# KiCad board ADHW.kicad_pcb (continued)
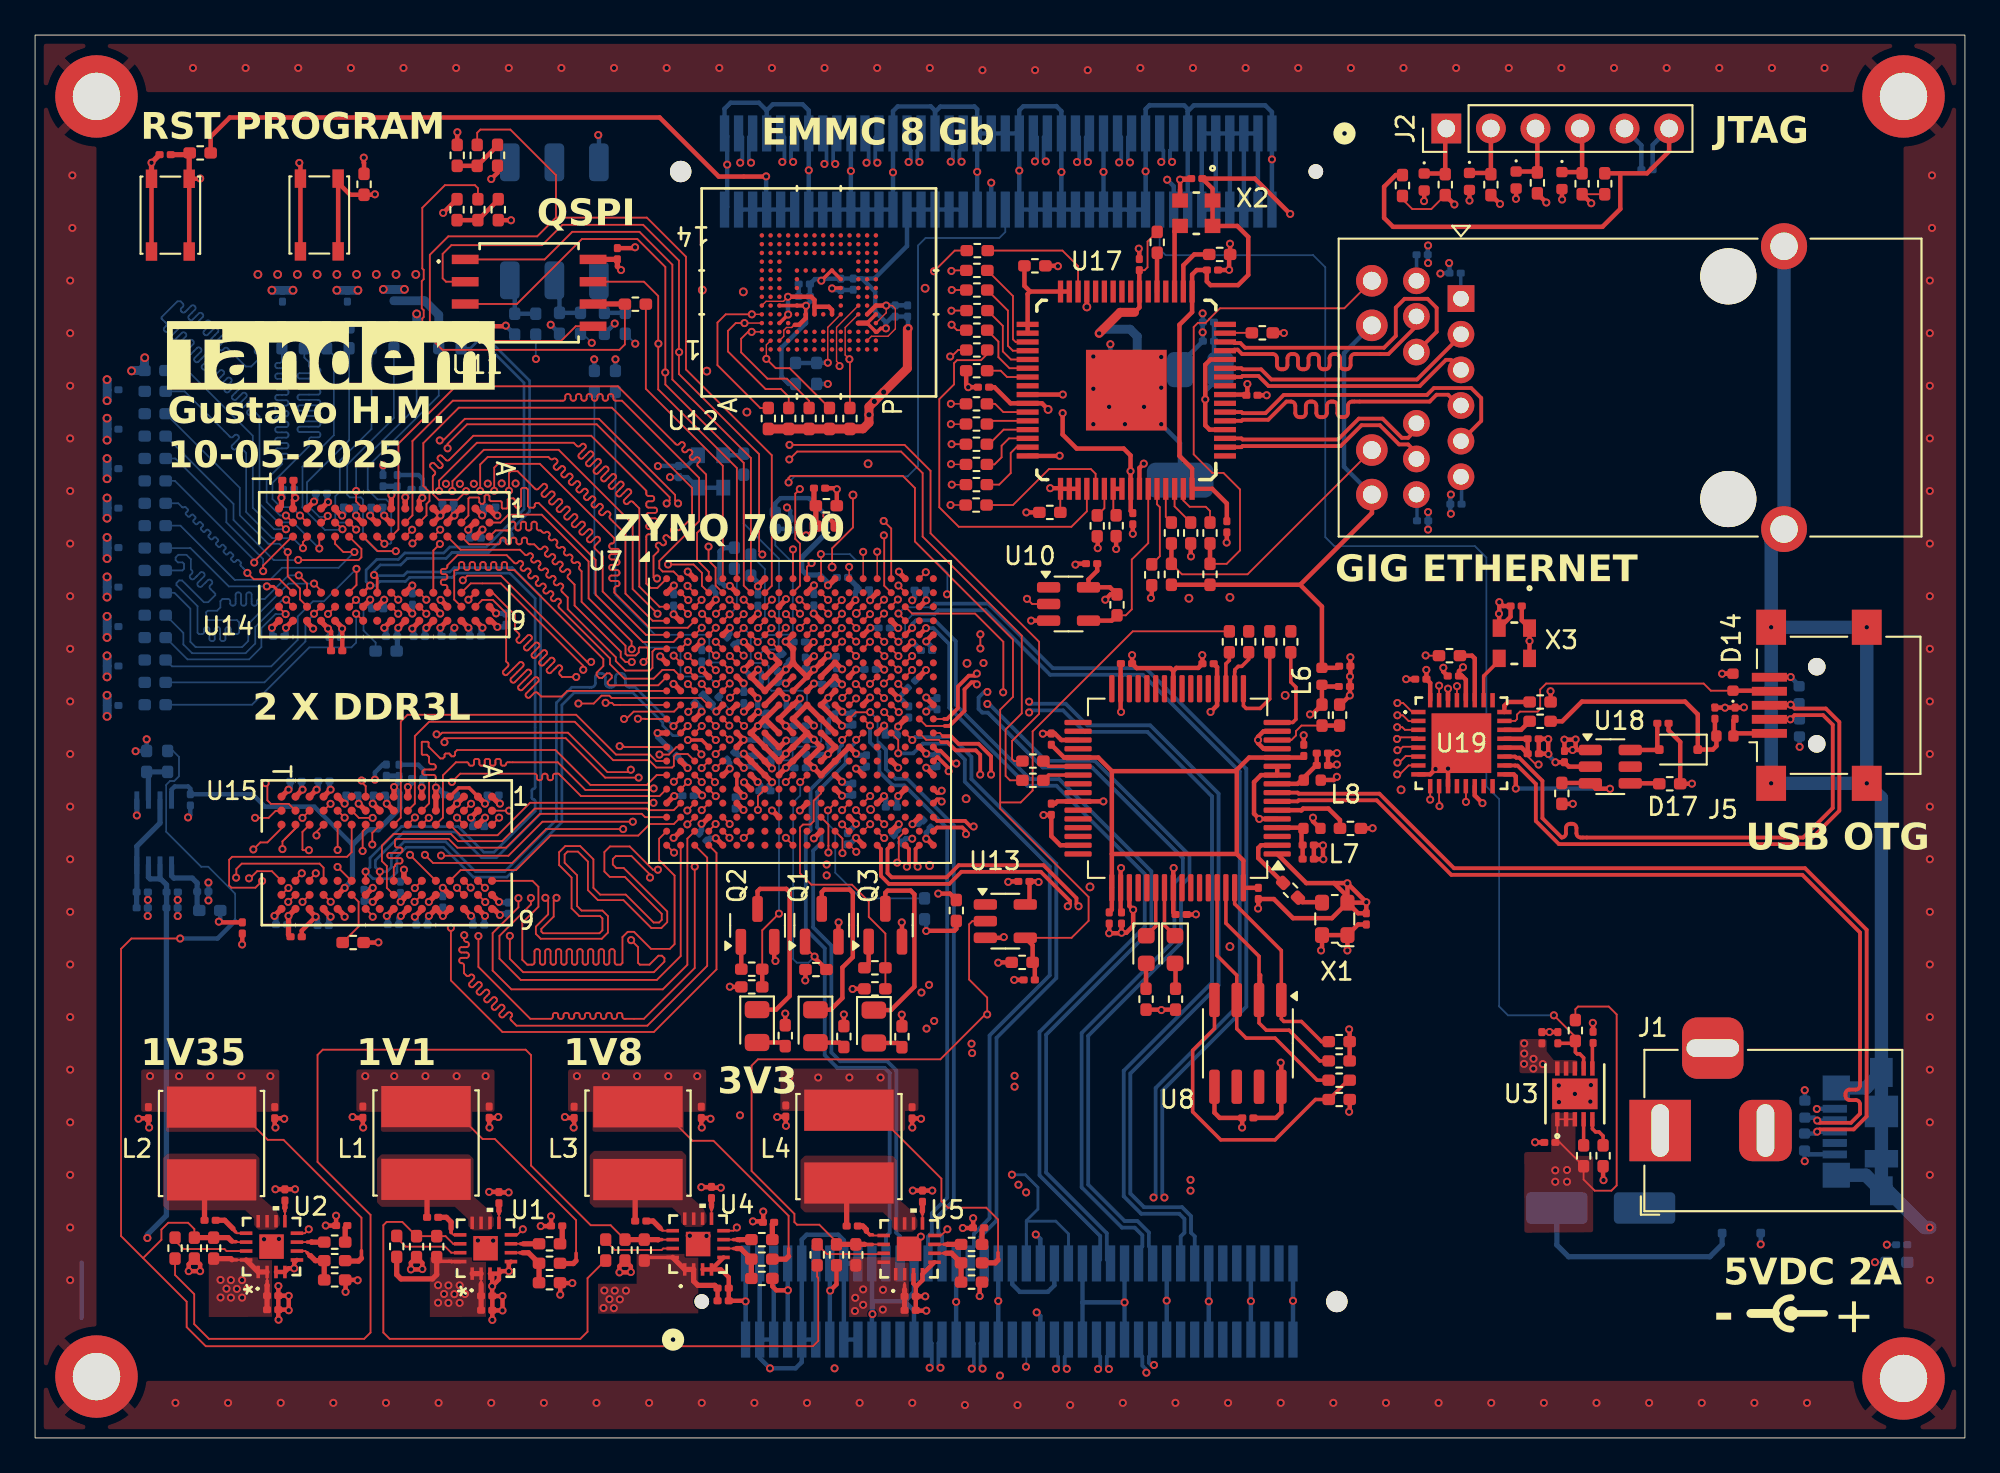
[diagram p0: board, top side]
## Routing (per net, layer and track width the routed paths; a pad name or vN(x,y) marks a point on that pad's centre or on a via; arc(x,y) is an arc through that point) (continued)
DDR_DQ11: length 22.8
  Top w0.102: U14.C2 24.7,52.6 24.7,53.57 24.76,53.63 25.28,53.63 25.32,53.59 25.32,53.36 25.41,53.27 25.53,53.27 25.62,53.36 25.62,53.71 25.7,53.79 25.82,53.79 25.9,53.71 25.9,53.49 25.97,53.42 26.54,53.42 26.6,53.36 26.6,53.05 26.65,53 26.88,53 26.94,53.06 26.94,53.51 27.01,53.58 27.27,53.58 27.34,53.51 27.34,53.14 27.43,53.05 27.6,53.05 27.7,53.15 27.7,54.1 27.78,54.18 27.99,54.18 28.09,54.08 28.09,53.14 28.18,53.05 28.41,53.05 28.48,53.12 28.48,53.24 28.55,53.31 28.71,53.31 31.95,50.07 31.95,48.08 34.64,45.39 36.39,45.39 U7.E2
DDR_DQ12: length 21.8
  Top w0.102: U14.A7 26.08,48.2 27.35,46.93 27.35,46.09 27.58,45.86 arc(27.61,45.78) 27.58,45.69 27.47,45.58 arc(27.43,45.5) 27.47,45.41 27.51,45.37 arc(27.59,45.33) 27.68,45.37 28.07,45.76 arc(28.16,45.79) 28.25,45.76 28.29,45.72 arc(28.33,45.63) 28.29,45.54 27.9,45.15 arc(27.86,45.06) 27.9,44.98 27.94,44.93 arc(28.03,44.9) 28.11,44.93 28.51,45.33 arc(28.59,45.36) 28.68,45.33 28.72,45.29 arc(28.76,45.2) 28.72,45.11 28.33,44.72 arc(28.29,44.63) 28.33,44.55 28.37,44.5 arc(28.46,44.47) 28.54,44.5 28.94,44.9 arc(29.02,44.93) 29.11,44.9 29.15,44.85 arc(29.19,44.77) 29.15,44.68 28.76,44.29 arc(28.72,44.2) 28.76,44.12 28.8,44.07 arc(28.89,44.04) 28.97,44.07 29.37,44.47 arc(29.45,44.5) 29.54,44.47 29.58,44.42 arc(29.62,44.34) 29.58,44.25 29.19,43.86 arc(29.15,43.77) 29.19,43.68 29.23,43.64 arc(29.32,43.61) 29.4,43.64 29.8,44.04 arc(29.88,44.07) 29.97,44.04 30.01,43.99 arc(30.05,43.91) 30.01,43.82 29.9,43.71 arc(29.87,43.62) 29.9,43.54 30.05,43.39 v1(30.84,43.39) ; U7.J3 v1(37.21,42.99)
  In3.Cu w0.102: v1(30.84,43.39) 31.74,42.5 36.72,42.5 v1(37.21,42.99)
DDR_DQ13: length 21.9
  Top w0.102: v1(34.01,44.98) 34,44.97 34,45.43 31.55,47.88 31.55,49.98 28.88,52.65 26.98,52.65 26.53,52.2 U14.A2 ; U7.E3 v1(38,46.2)
  In3.Cu w0.102: 34.04,44.97 34.02,44.97 v1(34.01,44.98) 33.55,44.52 33.55,43.99 34.14,43.4 37.42,43.4 37.62,43.6 37.62,45.82 v1(38,46.2)
DDR_DQ14: length 22.8
  Top w0.102: U14.B8 25.49,47.79 26.09,47.79 26.85,47.03 26.85,44.28 26.95,44.17 arc(26.99,44.09) 26.95,44 26.7,43.74 arc(26.66,43.66) 26.7,43.57 26.74,43.53 arc(26.83,43.49) 26.91,43.53 27.6,44.22 arc(27.69,44.25) 27.77,44.22 27.82,44.18 arc(27.85,44.09) 27.82,44 27.13,43.31 arc(27.09,43.23) 27.13,43.14 27.17,43.1 arc(27.26,43.06) 27.34,43.1 28.03,43.79 arc(28.12,43.82) 28.21,43.79 28.25,43.74 arc(28.28,43.66) 28.25,43.57 27.56,42.88 arc(27.52,42.8) 27.56,42.71 27.6,42.67 arc(27.69,42.63) 27.77,42.67 28.46,43.36 arc(28.55,43.39) 28.64,43.36 28.68,43.31 arc(28.72,43.23) 28.68,43.14 27.99,42.45 arc(27.95,42.36) 27.99,42.28 28.03,42.23 arc(28.12,42.2) 28.2,42.23 28.46,42.49 arc(28.55,42.53) 28.64,42.49 28.85,42.28 30.02,42.28 30.34,42.6 U7.J1
DDR_DQ15: length 21.7
  Top w0.102: v1(34.68,44.25) 34.93,44.5 34.93,45.02 34.87,45.08 34.46,45.08 34.41,45.03 34.41,44.8 34.23,44.62 33.75,44.62 33.65,44.72 33.65,45.18 31.15,47.68 31.15,49.42 31.03,49.53 arc(31,49.62) 31.03,49.7 arc(31.07,49.79) 31.03,49.87 30.99,49.92 arc(30.9,49.96) 30.82,49.92 arc(30.73,49.89) 30.65,49.92 30.6,49.97 arc(30.57,50.05) 30.6,50.14 arc(30.64,50.22) 30.6,50.31 30.56,50.35 arc(30.47,50.39) 30.39,50.35 arc(30.3,50.32) 30.22,50.35 30.17,50.4 arc(30.14,50.48) 30.17,50.57 arc(30.21,50.65) 30.17,50.74 30.13,50.78 arc(30.04,50.82) 29.96,50.78 arc(29.87,50.75) 29.79,50.78 29.74,50.83 arc(29.71,50.91) 29.74,51 arc(29.78,51.08) 29.74,51.17 29.7,51.21 arc(29.61,51.25) 29.53,51.21 arc(29.44,51.18) 29.36,51.21 29.31,51.26 arc(29.28,51.34) 29.31,51.43 arc(29.35,51.51) 29.31,51.6 29.26,51.64 arc(29.18,51.68) 29.1,51.64 arc(29.01,51.61) 28.93,51.64 28.82,51.75 28.72,51.75 arc(28.63,51.79) 28.6,51.87 28.6,52.13 arc(28.56,52.21) 28.48,52.25 28.41,52.25 arc(28.33,52.21) 28.29,52.13 28.29,51.87 arc(28.26,51.79) 28.17,51.75 28.11,51.75 arc(28.02,51.79) 27.99,51.87 27.99,52.13 arc(27.95,52.21) 27.87,52.25 27.8,52.25 arc(27.72,52.21) 27.68,52.13 27.68,51.87 arc(27.65,51.79) 27.56,51.75 27.5,51.75 arc(27.41,51.79) 27.38,51.87 27.38,52.13 arc(27.34,52.21) 27.26,52.25 27.2,52.25 arc(27.11,52.21) 27.07,52.13 27.07,51.87 arc(27.04,51.79) 26.95,51.75 26.25,51.75 U14.A3 ; U7.H3 v1(37.21,43.79)
  In3.Cu w0.102: v1(37.21,43.79) 35.16,43.79 34.68,44.27
DDR_DQ16: length 21.5
  Top w0.102: v1(35.26,37.04) 35.17,36.95 31.37,36.95 29.79,38.53 26.94,38.53 arc(26.88,38.5) 26.85,38.43 arc(26.82,38.37) 26.75,38.34 26.64,38.34 arc(26.57,38.37) 26.54,38.43 26.54,38.62 arc(26.52,38.69) 26.45,38.72 26.33,38.72 arc(26.27,38.69) 26.24,38.62 26.24,38.43 arc(26.21,38.37) 26.14,38.34 26.03,38.34 arc(25.96,38.37) 25.93,38.43 25.93,38.62 arc(25.91,38.69) 25.84,38.72 25.72,38.72 arc(25.66,38.69) 25.63,38.62 25.63,38.43 arc(25.6,38.37) 25.53,38.34 25.42,38.34 arc(25.35,38.37) 25.32,38.43 25.32,38.62 arc(25.3,38.69) 25.23,38.72 25.11,38.72 arc(25.05,38.69) 25.02,38.62 25.02,38.43 arc(24.99,38.37) 24.92,38.34 24.81,38.34 arc(24.74,38.37) 24.71,38.43 arc(24.69,38.5) 24.62,38.53 23.99,38.53 23.25,37.78 23.25,35.37 U15.E3 ; U7.R3 v1(38,37.4)
  In3.Cu w0.102: v1(35.26,37.04) 37.64,37.04 v1(38,37.4)
DDR_DQ17: length 21.1
  Top w0.1: v1(33.52,34.72) 29.13,34.72 27.2,32.79 22.68,32.79 v1(22.22,33.25)
  Top w0.102: v1(21.65,31.36) 21.65,31.37 U15.F7 ; U7.U4 v1(38,35.8)
  In3.Cu w0.1: v1(21.65,31.36) 21.65,32.68 v1(22.22,33.25) ; v1(38,35.8) 37.63,36.17 36.41,36.17 35.98,35.74 34.02,35.74 33.52,35.24 v1(33.52,34.72)
DDR_DQ18: length 22.3
  Top w0.102: U7.R1 35.43,37.8 34.87,37.24 31.65,37.24 29.66,39.23 24.06,39.23 23.94,39.11 23.94,38.94 23.87,38.87 23.74,38.87 23.68,38.93 23.68,38.96 23.61,39.03 23.4,39.03 23.34,38.97 23.34,38.84 23.25,38.75 23.1,38.75 22.43,39.42 22.43,39.65 22.38,39.7 22.07,39.7 22.04,39.67 22.04,39 22.08,38.96 22.33,38.96 22.46,38.83 22.46,38.54 arc(22.5,38.46) 22.58,38.42 22.71,38.42 arc(22.8,38.39) 22.83,38.3 22.83,38.24 arc(22.8,38.15) 22.71,38.12 22.21,38.12 arc(22.12,38.08) 22.08,38 22.08,37.93 arc(22.12,37.85) 22.21,37.81 22.71,37.81 arc(22.8,37.78) 22.83,37.69 22.83,37.63 arc(22.8,37.54) 22.71,37.51 22.58,37.51 arc(22.5,37.47) 22.46,37.39 22.46,36.18 U15.F2
DDR_DQ19: length 20.5
  Top w0.102: v1(21.63,30.57) 21.64,30.57 U15.F8 ; v1(23.14,33.21) 23.15,33.2 26.98,33.2 28.92,35.14 v1(34.07,35.14) ; U7.U3 v1(37.18,35.78)
  In3.Cu w0.102: v1(21.63,30.57) 22.14,31.08 22.14,31.75 22.31,31.92 23.08,31.92 23.14,31.98 23.14,32.14 arc(23.11,32.21) 23.04,32.24 arc(22.97,32.27) 22.94,32.34 22.94,32.45 arc(22.97,32.52) 23.04,32.55 23.24,32.55 arc(23.31,32.58) 23.34,32.65 23.34,32.75 arc(23.31,32.82) 23.24,32.85 arc(23.17,32.88) 23.14,32.95 v1(23.14,33.21) ; v1(34.07,35.14) 34.37,35.44 36.23,35.44 36.57,35.78 v1(37.18,35.78)
DDR_DQ20: length 22.5
  Top w0.102: U7.P1 35.41,38.6 35.04,38.97 33.11,38.97 30.84,41.24 21.23,41.24 20.84,40.85 20.84,35.37 20.44,34.97
DDR_DQ21: length 21.5
  Top w0.102: U7.U2 36.4,35.8 34.96,35.8 34.87,35.89 28.48,35.89 26.62,34.03 24.11,34.03 23.7,34.44 20.43,34.44 19.77,33.78 19.77,32.89 20.05,32.61 20.05,31.36 20.44,30.97
DDR_DQ22: length 22.6
  Top w0.102: U7.P3 37.2,39 36.56,39 36.41,38.85 36.41,38.33 36.31,38.23 35.41,38.23 34.99,38.65 32.95,38.65 30.76,40.84 22.46,40.84 21.64,40.02 21.64,36.17 U15.G2
DDR_DQ23: length 21.1
  Top w0.102: 20.44,31.77 20.44,32.54 20.51,32.61 20.51,32.63 arc(20.55,32.72) 20.63,32.76 20.82,32.76 arc(20.9,32.79) 20.94,32.88 20.94,32.94 arc(20.9,33.03) 20.82,33.06 20.2,33.06 arc(20.12,33.1) 20.08,33.18 20.08,33.24 arc(20.12,33.33) 20.2,33.37 20.82,33.37 arc(20.9,33.4) 20.94,33.49 20.94,33.55 arc(20.9,33.64) 20.82,33.67 20.63,33.67 arc(20.55,33.71) 20.51,33.79 20.51,34.09 20.58,34.16 23.57,34.16 24.07,33.66 26.85,33.66 28.78,35.59 34.58,35.59 34.77,35.4 U7.V1
DDR_DQ24: length 14.7
  Top w0.102: U15.D7 24.25,32.38 27.41,32.38 29.38,34.35 34.38,34.35 35.04,35.01 36.41,35.01 U7.V2
DDR_DQ25: length 35.4
  Top w0.102: v1(24.05,35.37) 24.44,34.97 24.44,34.97 ; U7.Y4 38.84,33.36 38.84,26.72 35.27,23.15 26.64,23.15 23.7,26.09 v1(23.7,29.09)
  In3.Cu w0.102: v1(24.05,35.37) 24.05,32.02 23.66,31.63 23.66,30.95 24.05,30.56 23.7,30.21 v1(23.7,29.09)
DDR_DQ26: length 36.3
  Top w0.102: v1(24.05,31.37) 24.05,31.35 24.43,30.97 24.44,30.97 ; U7.Y3 38.31,33.09 38.31,26.92 34.9,23.51 27.44,23.51 27.13,23.82 arc(27.09,23.91) 27.13,24 27.16,24.03 arc(27.19,24.12) 27.16,24.2 27.12,24.25 arc(27.03,24.28) 26.94,24.25 26.7,24.01 arc(26.62,23.97) 26.53,24.01 26.49,24.05 arc(26.45,24.14) 26.49,24.22 26.73,24.46 arc(26.76,24.55) 26.73,24.63 26.68,24.68 arc(26.6,24.71) 26.51,24.68 26.27,24.44 arc(26.19,24.4) 26.1,24.44 26.06,24.48 arc(26.02,24.57) 26.06,24.65 26.3,24.89 arc(26.33,24.98) 26.3,25.06 26.25,25.11 arc(26.17,25.14) 26.08,25.11 25.84,24.87 arc(25.76,24.83) 25.67,24.87 25.63,24.91 arc(25.59,25) 25.63,25.08 25.87,25.32 arc(25.9,25.41) 25.87,25.5 25.82,25.54 arc(25.74,25.57) 25.65,25.54 25.41,25.3 arc(25.33,25.26) 25.24,25.3 25.2,25.34 arc(25.16,25.43) 25.2,25.52 25.43,25.75 arc(25.47,25.84) 25.43,25.93 25.39,25.97 arc(25.3,26) 25.22,25.97 24.98,25.73 arc(24.89,25.7) 24.81,25.73 24.77,25.77 arc(24.73,25.86) 24.77,25.95 25,26.18 arc(25.04,26.27) 25,26.36 24.96,26.4 arc(24.87,26.44) 24.79,26.4 24.75,26.37 arc(24.67,26.33) 24.58,26.37 24.45,26.5 24.45,26.95 arc(24.41,27.04) 24.33,27.07 24.3,27.07 arc(24.22,27.11) 24.18,27.19 24.18,27.26 arc(24.22,27.34) 24.3,27.38 24.6,27.38 arc(24.68,27.41) 24.72,27.5 24.72,27.56 arc(24.68,27.65) 24.6,27.68 24.3,27.68 arc(24.22,27.72) 24.18,27.8 24.18,27.86 arc(24.22,27.95) 24.3,27.99 24.6,27.99 arc(24.68,28.02) 24.72,28.11 24.72,28.17 arc(24.68,28.26) 24.6,28.29 24.57,28.29 arc(24.49,28.33) 24.45,28.41 24.45,28.66 v1(24.46,28.67)
  In3.Cu w0.102: v1(24.05,31.37) 24.05,31.13 24.47,30.71 24.47,29.89 24.15,29.57 24.15,28.98 v1(24.46,28.67)
DDR_DQ27: length 35.7
  Top w0.102: v1(24.85,36.16) 24.84,36.16 24.44,35.77 ; v1(37.18,34.99) 37.19,34.99 U7.V3 ; v1(27.06,28.63) 27.06,27.32 27.82,26.56 35.27,26.56 35.87,27.16 35.87,27.36 35.73,27.5 35.53,27.5 35.02,26.99 34.47,26.99 34.37,27.09 34.37,27.99 v1(33.97,28.39)
  In3.Cu w0.102: v1(24.85,36.16) 24.43,35.74 24.43,31.25 24.73,30.95 25.88,30.95 26.04,30.79 26.04,28.77 26.18,28.63 v1(27.06,28.63) ; v1(33.97,28.39) 35.14,29.55 35.14,30.1 33.99,31.25 33.99,32.4 34.87,33.28 35.74,33.28 36.1,32.92 36.62,32.92 37.18,33.48 v1(37.18,34.99)
DDR_DQ28: length 37.7
  Top w0.102: U7.W1 35.57,34.17 35.57,32.95 36.45,32.07 36.45,28.16 36.18,27.89 35.11,27.89 34.14,28.86 33.78,28.86 33.48,28.56 33.48,27.09 33.38,26.99 33.16,26.99 arc(33.07,27.03) 33.04,27.11 33.04,27.75 arc(33,27.83) 32.92,27.87 32.86,27.87 arc(32.77,27.83) 32.73,27.75 32.73,27.11 arc(32.7,27.03) 32.61,26.99 32.55,26.99 arc(32.46,27.03) 32.43,27.11 32.43,27.75 arc(32.39,27.83) 32.31,27.87 32.25,27.87 arc(32.16,27.83) 32.12,27.75 32.12,27.11 arc(32.09,27.03) 32,26.99 31.94,26.99 arc(31.85,27.03) 31.82,27.11 31.82,27.75 arc(31.78,27.83) 31.7,27.87 31.64,27.87 arc(31.55,27.83) 31.51,27.75 31.51,27.11 arc(31.48,27.03) 31.39,26.99 31.33,26.99 arc(31.24,27.03) 31.21,27.11 31.21,27.75 arc(31.17,27.83) 31.09,27.87 31.03,27.87 arc(30.94,27.83) 30.9,27.75 30.9,27.11 arc(30.87,27.03) 30.78,26.99 30.72,26.99 arc(30.64,27.03) 30.6,27.11 30.6,27.75 arc(30.56,27.83) 30.48,27.87 30.42,27.87 arc(30.33,27.83) 30.29,27.75 30.29,27.11 arc(30.26,27.03) 30.17,26.99 30.11,26.99 arc(30.03,27.03) 29.99,27.11 29.99,27.75 arc(29.95,27.83) 29.87,27.87 29.81,27.87 arc(29.72,27.83) 29.69,27.75 29.69,27.11 arc(29.65,27.03) 29.56,26.99 29.5,26.99 arc(29.42,27.03) 29.38,27.11 29.38,27.75 arc(29.34,27.83) 29.26,27.87 29.2,27.87 arc(29.11,27.83) 29.08,27.75 29.08,27.11 arc(29.04,27.03) 28.95,26.99 28.89,26.99 arc(28.81,27.03) 28.77,27.11 28.77,27.75 arc(28.74,27.83) 28.65,27.87 28.59,27.87 arc(28.5,27.83) 28.47,27.75 28.47,27.11 arc(28.43,27.03) 28.34,26.99 28.05,26.99 27.77,27.27 27.77,29.37 28.69,30.29 28.69,31.43 28.35,31.77 U15.A7
DDR_DQ29: length 36.6
  Top w0.102: v1(27.02,35.77) U15.A2 ; U7.Y2 36.8,27.48 35.44,26.12 27.68,26.12 26.47,27.33 26.47,28.63 28.26,30.42 v1(28.26,30.79)
  In3.Cu w0.102: v1(28.26,30.79) 28.26,30.8 27.82,31.24 27.29,31.24 27.06,31.01 27.06,30.18 27.6,29.64 30.22,29.64 30.85,30.27 30.85,31.93 27.02,35.76 v1(27.02,35.77)
DDR_DQ30: length 33.7
  Top w0.1: v1(25.27,28.62) 25.27,26.86 28.23,23.9 29.39,23.9 arc(29.48,23.94) 29.51,24.02 29.51,24.12 arc(29.55,24.2) 29.63,24.24 29.69,24.24 arc(29.78,24.2) 29.82,24.12 29.82,24.02 arc(29.85,23.94) 29.94,23.9 30,23.9 arc(30.09,23.94) 30.12,24.02 30.12,24.12 arc(30.16,24.2) 30.24,24.24 30.3,24.24 arc(30.39,24.2) 30.43,24.12 30.43,24.02 arc(30.46,23.94) 30.55,23.9 30.61,23.9 arc(30.7,23.94) 30.73,24.02 30.73,24.12 arc(30.77,24.2) 30.85,24.24 30.91,24.24 arc(31,24.2) 31.04,24.12 31.04,24.02 arc(31.07,23.94) 31.16,23.9 31.22,23.9 arc(31.31,23.94) 31.34,24.02 31.34,24.12 arc(31.38,24.2) 31.46,24.24 31.52,24.24 arc(31.61,24.2) 31.65,24.12 31.65,24.02 arc(31.68,23.94) 31.77,23.9 31.83,23.9 arc(31.91,23.94) 31.95,24.02 31.95,24.12 arc(31.99,24.2) 32.07,24.24 32.13,24.24 arc(32.22,24.2) 32.26,24.12 32.26,24.02 arc(32.29,23.94) 32.38,23.9 32.44,23.9 arc(32.52,23.94) 32.56,24.02 32.56,24.12 arc(32.6,24.2) 32.68,24.24 32.74,24.24 arc(32.83,24.2) 32.86,24.12 32.86,24.02 arc(32.9,23.94) 32.99,23.9 33.05,23.9 arc(33.13,23.94) 33.17,24.02 33.17,24.12 arc(33.21,24.2) 33.29,24.24 33.35,24.24 arc(33.44,24.2) 33.47,24.12 33.47,24.02 arc(33.51,23.94) 33.6,23.9 34.7,23.9 37.6,26.8 v1(37.6,32.58)
  Top w0.102: U15.B8 25.25,30.97 v1(25.66,30.56) ; U7.T4 v1(38.8,36.6)
  In3.Cu w0.1: v1(25.27,28.62) 25.27,30.17 v1(25.66,30.56)
  In3.Cu w0.102: v1(38.8,36.6) 38.4,36.2 38.4,35.63 38.17,35.4 37.73,35.4 37.54,35.21 37.54,32.64 v1(37.6,32.58)
DDR_DQ31: length 36.7
  Top w0.102: U7.W3 37.18,34.18 37.18,26.98 35.78,25.58 27.15,25.58 26.08,26.65 26.08,28.79 27.55,30.26 v1(27.55,30.78) ; v1(26.45,35.37) 26.05,34.97 U15.A3
  In3.Cu w0.102: v1(27.55,30.78) 27.55,30.32 27.81,30.06 30.05,30.06 30.44,30.45 30.44,31.68 28.08,34.04 26.56,34.04 26.45,34.15 26.45,34.33 arc(26.41,34.42) 26.33,34.45 26.29,34.45 arc(26.21,34.49) 26.17,34.58 26.17,34.64 arc(26.21,34.72) 26.29,34.76 26.33,34.76 arc(26.41,34.79) 26.45,34.88 v1(26.45,35.37)
DDR_DQS0_N: length 35.3
  Top w0.1: v1(23.06,56.88) 23.12,56.94 23.31,56.94 24.5,58.12 32.14,58.12 36.48,53.78 36.48,53.46 v1(36.65,53.29)
  Top w0.102: U14.G3 v1(21.49,51.79) ; v1(37.23,47.78) 37.22,47.78 U7.B2
  In3.Cu w0.1: v1(21.49,51.79) 21.49,52.42 20.72,53.19 20.72,54 21.26,54.54 21.26,54.85 23.06,56.66 v1(23.06,56.88) ; v1(36.65,53.29) 36.48,53.12 36.48,52.64 34.5,50.66 34.5,46.84 35.12,46.22 36.58,46.22 36.81,46.44 36.81,47.36 v1(37.23,47.78)
DDR_DQS0_P: length 35.3
  Top w0.1: v1(36,53.29) 36.17,53.46 36.17,53.65 32.01,57.8 24.62,57.8 23.51,56.69 v1(23.51,56.43)
  Top w0.102: U14.F3 v1(21.51,51.01) ; v1(37.21,46.99) 37.21,47 36.81,47.4 U7.C2
  In3.Cu w0.1: v1(37.21,46.99) 37.21,46.4 36.71,45.9 34.99,45.9 34.19,46.71 34.19,50.79 36.17,52.77 36.17,53.12 v1(36,53.29) ; v1(23.51,56.43) 23.29,56.43 22.47,55.62 arc(22.42,55.49) 22.47,55.36 arc(22.53,55.23) 22.47,55.1 22.31,54.93 arc(22.18,54.88) 22.05,54.93 arc(21.92,54.99) 21.79,54.93 21.6,54.75 21.6,52.82 21.9,52.52 U14.F3 v1(21.51,51.01)
DDR_DQS1_N: length 29.1
  Top w0.1: v1(24.38,48.91) 24.64,49.17 26.55,49.17 31.47,44.25 v1(31.69,44.25)
  Top w0.102: U7.F2 v1(37.2,45.4)
  Top w0.153: U14.B7 v1(24.7,47.8)
  In3.Cu w0.1: v1(37.2,45.4) 34.69,45.4 32.7,47.39 32.7,48.99 32.2,49.49 30.51,49.49 30.18,49.16 30.18,46.75 32.61,44.32 32.61,44.06 32.41,43.86 31.86,43.86 31.69,44.03 v1(31.69,44.25)
  In3.Cu w0.102: v1(24.7,47.8) 24.26,48.24 24.26,48.79 v1(24.38,48.91)
DDR_DQS1_P: length 30.1
  Top w0.1: U14.C7 24.83,48.73 26.55,48.73 31.25,44.03 v1(31.25,43.81)
  Top w0.102: v1(36.4,44.61) 36.8,44.21 U7.G2
  In3.Cu w0.1: v1(36.4,44.61) 35.92,45.09 34.56,45.09 33.86,45.79 arc(33.72,45.84) 33.58,45.79 33.34,45.55 arc(33.2,45.49) 33.06,45.55 32.99,45.62 arc(32.93,45.76) 32.99,45.9 33.23,46.14 arc(33.28,46.28) 33.23,46.42 33.16,46.49 arc(33.01,46.55) 32.87,46.49 32.64,46.26 arc(32.5,46.2) 32.35,46.26 32.28,46.33 arc(32.23,46.47) 32.28,46.61 32.52,46.85 arc(32.58,46.99) 32.52,47.13 32.38,47.27 32.38,47.82 arc(32.32,47.96) 32.18,48.02 31.85,48.02 arc(31.71,48.07) 31.65,48.22 31.65,48.32 arc(31.71,48.46) 31.85,48.52 32.18,48.52 arc(32.32,48.57) 32.38,48.72 32.38,48.87 32.08,49.17 30.64,49.17 30.49,49.03 30.49,46.88 32.93,44.45 32.93,43.93 32.54,43.55 31.73,43.55 31.47,43.81 v1(31.25,43.81)
DDR_DQS2_N: length 22.2
  Top w0.1: v1(33.96,38.1) 33.82,37.97 32.62,37.97 30.37,40.22 23.21,40.22 23.11,40.12 v1(22.89,40.12)
  Top w0.102: v1(21.65,35.38) 21.25,34.97 U15.G3 ; U7.T2 v1(37.21,37.41)
  In3.Cu w0.1: v1(33.96,38.1) 36.52,38.1 v1(37.21,37.41) ; v1(21.65,35.38) 21.88,35.61 21.88,36.31 21.66,36.53 21.66,37.68 21.88,37.9 21.88,38.65 22.89,39.66 v1(22.89,40.12)
DDR_DQS2_P: length 22.6
  Top w0.1: v1(34.4,37.66) 32.49,37.66 30.25,39.9 23.33,39.9 23.33,39.9 v1(23.33,39.68)
  Top w0.102: v1(22.44,35.36) 22.05,34.97 U15.F3 ; U7.R2 36.79,37.8 v1(36.41,37.42)
  In3.Cu w0.1: v1(23.33,39.68) 23.33,39.66 23.08,39.41 arc(23.05,39.33) 23.08,39.24 23.18,39.15 arc(23.21,39.06) 23.18,38.98 23.13,38.93 arc(23.05,38.9) 22.96,38.93 22.87,39.03 arc(22.78,39.06) 22.7,39.03 22.65,38.98 arc(22.62,38.9) 22.65,38.81 22.75,38.72 arc(22.78,38.63) 22.75,38.55 22.7,38.5 arc(22.62,38.47) 22.53,38.5 22.44,38.59 arc(22.35,38.63) 22.26,38.59 22.19,38.52 22.19,37.91 22.42,37.68 22.42,36.78 arc(22.46,36.69) 22.54,36.66 22.68,36.66 arc(22.76,36.62) 22.8,36.54 22.8,36.48 arc(22.76,36.39) 22.68,36.35 22.54,36.35 arc(22.46,36.32) 22.42,36.23 22.42,36.17 arc(22.46,36.08) 22.54,36.05 22.68,36.05 arc(22.76,36.01) 22.8,35.93 22.8,35.87 arc(22.76,35.78) 22.68,35.74 22.54,35.74 arc(22.46,35.71) 22.42,35.62 22.42,35.38 v1(22.44,35.36) ; v1(34.4,37.66) 34.72,37.66 34.87,37.81 36.04,37.81 36.41,37.44 v1(36.41,37.42)
DDR_DQS3_N: length 47.9
  Top w0.1: v1(35.5,32.4) 35.22,32.4 33.89,33.73 32.77,33.73 32.45,33.41 32.45,32.3 32.76,31.99 33.62,31.99 35.72,29.89 35.72,29.54 35.57,29.39 35.26,29.39 33.67,30.98 32.21,30.98 31.82,31.37 31.82,33 31.07,33.75 30.22,33.75 29.87,33.4 29.87,32.67 30.58,31.96 30.58,30.2 31.02,29.76 32.21,29.76 32.34,29.63 32.34,28.95 32.17,28.78 28.95,28.78 28.86,28.87 28.86,29.03 29.56,29.73 29.56,30.64 v1(29.72,30.8)
  Top w0.102: U7.W5 v1(39.58,34.22) ; v1(25.64,31.37) 25.25,31.76 U15.B7
  In3.Cu w0.1: v1(39.58,34.22) 38.72,33.36 38.72,32.16 38.42,31.86 35.81,31.86 35.5,32.18 v1(35.5,32.4) ; v1(25.64,31.37) 25.39,31.62 25.39,32.7 25.79,33.1 26.05,33.1 arc(26.22,33.03) 26.29,32.86 26.29,31.93 arc(26.36,31.76) 26.53,31.69 26.65,31.69 arc(26.82,31.76) 26.89,31.93 26.89,32.86 arc(26.96,33.03) 27.13,33.1 27.35,33.1 27.38,33.07 27.38,33.07 28.66,31.79 28.66,30.6 28.86,30.4 29.32,30.4 v1(29.72,30.8)
DDR_DQS3_P: length 47.9
  Top w0.1: v1(35.05,31.95) 35.05,32.13 34,33.18 33.1,33.18 32.93,33.01 32.93,32.7 33.13,32.5 33.55,32.5 36.03,30.02 36.03,29.41 35.7,29.08 35.13,29.08 33.54,30.67 32.08,30.67 31.51,31.24 31.51,32.87 30.94,33.44 30.35,33.44 30.18,33.27 30.18,32.8 30.89,32.09 30.89,30.33 31.15,30.07 32.34,30.07 32.65,29.76 32.65,28.82 32.3,28.47 28.82,28.47 28.54,28.74 28.54,29.16 29.25,29.86 29.25,30.64 v1(29.09,30.8)
  Top w0.102: U7.W4 38.4,34.62 v1(38.79,35.01) ; v1(24.83,31.38) 24.44,31.76 24.44,31.77
  In3.Cu w0.1: v1(24.83,31.38) 25.07,31.62 25.07,32.82 25.67,33.42 27.47,33.42 29.08,31.81 29.08,30.81 v1(29.09,30.8) ; v1(38.79,35.01) 39.29,35.51 39.87,35.51 40,35.38 40,33.95 39.03,32.98 39.03,32.03 38.55,31.55 35.68,31.55 35.28,31.95 v1(35.05,31.95)
DDR_NCAS: length 95.5
  Top w0.102: U14.K3 19.53,50.57 v1(20.56,50.57) ; U7.P5 38.8,38.2 v1(38.8,38.2) ; v1(18.67,33.47) 18.67,34.59 18.85,34.77 U15.K3
  In5.Cu w0.1: v1(38.8,38.2) 38.38,37.78 37.78,37.78 37.61,37.61 37.61,34.69 37.51,34.59 35.99,34.59 35.87,34.47 35.87,34.06 35.44,33.62 arc(35.35,33.59) 35.26,33.62 35.15,33.74 arc(35.07,33.77) 34.98,33.74 34.94,33.69 arc(34.9,33.61) 34.94,33.52 35.33,33.13 arc(35.37,33.04) 35.33,32.95 35.29,32.91 arc(35.2,32.88) 35.11,32.91 34.72,33.3 arc(34.63,33.34) 34.55,33.3 34.51,33.26 arc(34.47,33.18) 34.51,33.09 34.9,32.7 arc(34.93,32.61) 34.9,32.52 34.86,32.48 arc(34.77,32.44) 34.68,32.48 34.29,32.87 arc(34.2,32.91) 34.12,32.87 34.07,32.83 arc(34.04,32.74) 34.07,32.66 34.47,32.26 arc(34.5,32.18) 34.47,32.09 34.42,32.05 arc(34.34,32.01) 34.25,32.05 33.86,32.44 arc(33.77,32.48) 33.69,32.44 33.64,32.4 arc(33.61,32.31) 33.64,32.23 34.04,31.83 arc(34.07,31.75) 34.04,31.66 33.99,31.62 arc(33.91,31.58) 33.82,31.62 33.43,32.01 arc(33.34,32.05) 33.26,32.01 33.21,31.97 arc(33.18,31.88) 33.21,31.8 33.61,31.4 arc(33.64,31.32) 33.61,31.23 33.56,31.19 arc(33.48,31.15) 33.39,31.19 33,31.58 arc(32.91,31.62) 32.82,31.58 32.78,31.54 arc(32.75,31.45) 32.78,31.36 33.17,30.97 arc(33.21,30.89) 33.17,30.8 33.13,30.76 arc(33.05,30.72) 32.96,30.76 32.57,31.15 arc(32.48,31.18) 32.39,31.15 32.35,31.11 arc(32.31,31.02) 32.35,30.93 32.74,30.54 arc(32.78,30.45) 32.74,30.37 32.7,30.32 arc(32.61,30.29) 32.53,30.32 32.13,30.72 arc(32.05,30.75) 31.96,30.72 31.92,30.67 arc(31.88,30.59) 31.92,30.5 32.31,30.11 arc(32.35,30.02) 32.31,29.94 32.27,29.89 arc(32.18,29.86) 32.1,29.89 31.7,30.29 arc(31.62,30.32) 31.53,30.29 31.49,30.24 arc(31.45,30.16) 31.49,30.07 31.88,29.68 arc(31.92,29.59) 31.88,29.51 31.84,29.46 arc(31.75,29.43) 31.67,29.46 31.56,29.57 arc(31.47,29.61) 31.38,29.57 29.47,27.66 19.34,27.66 18.06,28.94 18.06,32.86 v1(18.67,33.47)
  In7.Cu w0.1: v1(18.67,33.47) 18.67,33.95 19.04,34.32 19.58,34.32 19.87,34.03 27.05,34.03 28.15,35.13 28.15,46.9 26.85,48.2 22.93,48.2 v1(20.56,50.57)
  Bottom w0.1: v1(20.56,50.57) 19.5,50.57 18.69,51.38 18.69,53.51 18.56,53.64 17.94,53.64 17.79,53.79 17.79,55.5 20.45,58.16 R101.2
DDR_NCS: length 100.2
  Top w0.1: U15.L2 18.46,35.36 v1(19.24,35.36)
  Top w0.102: U14.L2 v1(18.3,51.8) ; v1(33.32,39.45) 33.53,39.45 33.58,39.4 35.05,39.4 ; 35.05,39.4 35.05,39.39 ; 35.05,39.4 U7.N1
  In5.Cu w0.1: v1(33.32,39.45) 32.82,38.95 32.61,38.95 32.28,38.62 arc(32.25,38.54) 32.28,38.46 arc(32.31,38.38) 32.28,38.31 32.22,38.25 arc(32.14,38.21) 32.06,38.25 31.91,38.4 arc(31.83,38.43) 31.75,38.4 31.69,38.34 arc(31.66,38.26) 31.69,38.19 arc(31.72,38.11) 31.69,38.03 31.44,37.78 30.97,37.78 arc(30.89,37.81) 30.86,37.89 arc(30.83,37.97) 30.75,38 30.67,38 arc(30.59,37.97) 30.56,37.89 30.56,37.67 arc(30.52,37.59) 30.45,37.56 30.36,37.56 arc(30.28,37.59) 30.25,37.67 30.25,37.89 arc(30.22,37.97) 30.14,38 30.06,38 arc(29.98,37.97) 29.95,37.89 29.95,37.67 arc(29.91,37.59) 29.84,37.56 29.75,37.56 arc(29.67,37.59) 29.64,37.67 29.64,37.89 arc(29.61,37.97) 29.53,38 29.45,38 arc(29.37,37.97) 29.34,37.89 29.34,37.67 arc(29.3,37.59) 29.23,37.56 29.14,37.56 arc(29.06,37.59) 29.03,37.67 29.03,37.89 arc(29,37.97) 28.92,38 28.84,38 arc(28.76,37.97) 28.73,37.89 28.73,37.67 arc(28.69,37.59) 28.62,37.56 28.53,37.56 arc(28.45,37.59) 28.42,37.67 28.42,37.89 arc(28.39,37.97) 28.31,38 28.23,38 arc(28.15,37.97) 28.12,37.89 28.12,37.67 arc(28.08,37.59) 28.01,37.56 27.92,37.56 arc(27.84,37.59) 27.81,37.67 27.81,37.89 arc(27.78,37.97) 27.7,38 27.62,38 arc(27.54,37.97) 27.51,37.89 27.51,37.67 arc(27.48,37.59) 27.4,37.56 27.31,37.56 arc(27.23,37.59) 27.2,37.67 27.2,37.89 arc(27.17,37.97) 27.09,38 27.01,38 arc(26.93,37.97) 26.9,37.89 26.9,37.67 arc(26.87,37.59) 26.79,37.56 26.7,37.56 arc(26.63,37.59) 26.59,37.67 26.59,37.89 arc(26.56,37.97) 26.48,38 26.4,38 arc(26.32,37.97) 26.29,37.89 26.29,37.67 arc(26.26,37.59) 26.18,37.56 26.09,37.56 arc(26.02,37.59) 25.98,37.67 25.98,37.89 arc(25.95,37.97) 25.87,38 25.79,38 arc(25.71,37.97) 25.68,37.89 arc(25.65,37.81) 25.57,37.78 25.31,37.78 25.19,37.66 25.19,37.33 25.39,37.13 30.74,37.13 30.85,37.02 30.85,36.71 30.77,36.63 30.33,36.63 arc(30.25,36.59) 30.21,36.51 30.21,36.38 arc(30.18,36.29) 30.09,36.25 30.03,36.25 arc(29.94,36.29) 29.91,36.38 29.91,36.51 arc(29.87,36.59) 29.78,36.63 29.72,36.63 arc(29.64,36.59) 29.6,36.51 29.6,36.38 arc(29.57,36.29) 29.48,36.25 29.42,36.25 arc(29.33,36.29) 29.3,36.38 29.3,36.51 arc(29.26,36.59) 29.18,36.63 29.11,36.63 arc(29.03,36.59) 28.99,36.51 28.99,36.38 arc(28.96,36.29) 28.87,36.25 28.81,36.25 arc(28.72,36.29) 28.69,36.38 28.69,36.51 arc(28.65,36.59) 28.57,36.63 28.5,36.63 arc(28.42,36.59) 28.38,36.51 28.38,36.38 arc(28.35,36.29) 28.26,36.25 28.2,36.25 arc(28.11,36.29) 28.08,36.38 28.08,36.51 arc(28.04,36.59) 27.96,36.63 27.9,36.63 arc(27.81,36.59) 27.77,36.51 27.77,36.38 arc(27.74,36.29) 27.65,36.25 27.59,36.25 arc(27.5,36.29) 27.47,36.38 27.47,36.51 arc(27.43,36.59) 27.35,36.63 27.29,36.63 arc(27.2,36.59) 27.16,36.51 27.16,36.38 arc(27.13,36.29) 27.04,36.25 26.98,36.25 arc(26.89,36.29) 26.86,36.38 26.86,36.51 arc(26.82,36.59) 26.74,36.63 25.28,36.63 24.74,37.17 24.74,37.88 24.66,37.96 24.32,37.96 24.23,37.87 24.23,36.95 24.14,36.86 23.45,36.86 23.26,37.05 23.26,37.37 23.01,37.62 23.01,37.92 22.92,38.01 22.53,38.01 arc(22.44,37.97) 22.41,37.89 22.41,37.76 arc(22.37,37.67) 22.28,37.63 22.22,37.63 arc(22.14,37.67) 22.1,37.76 22.1,37.89 arc(22.07,37.97) 21.98,38.01 21.92,38.01 arc(21.83,37.97) 21.8,37.89 21.8,37.76 arc(21.76,37.67) 21.67,37.63 21.61,37.63 arc(21.53,37.67) 21.49,37.76 21.49,37.89 arc(21.46,37.97) 21.37,38.01 20.52,38.01 18.84,36.33 18.84,35.77 19.24,35.37 v1(19.24,35.36)